# KiCad board SBC.kicad_pcb (continued)
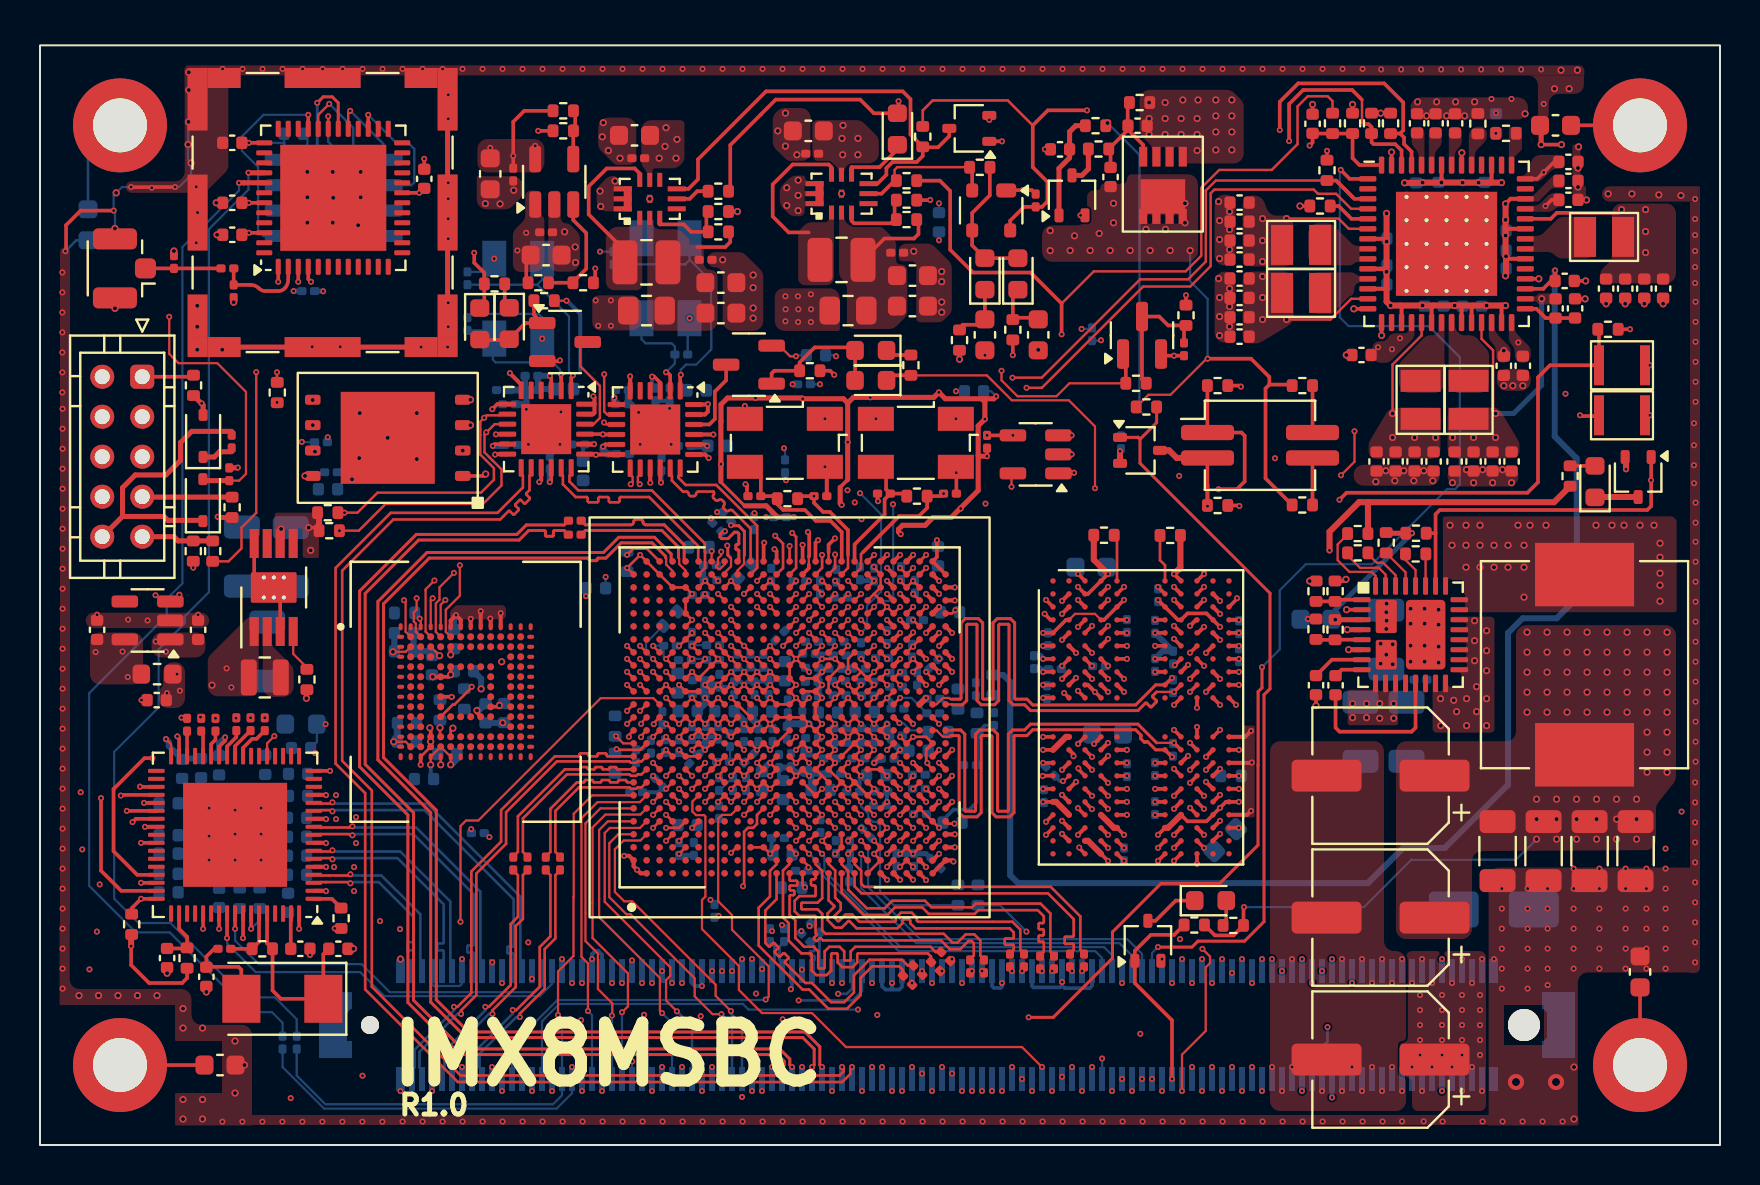
[diagram p0: board, top side]
## Routing (per net, layer and track width the routed paths; a pad name or vN(x,y) marks a point on that pad's centre or on a via; arc(x,y) is an arc through that point) (continued)
JTAG_TDI: length 64.2
  T w0.13: 41.38,16.19 v1(41.7,15.86)
  IN2 w0.11: J2.8 4.04,31.5 8.3,31.5 12.8,36 12.8,37.1 13.64,37.94 29.49,37.94 31.4,36.03 35.05,36.03 37.93,33.15 37.93,32.75 38.77,31.91 38.77,30.61 38.6,30.45 38.6,30.14 38.77,29.96 38.77,27.48 39.04,27.21 39.25,27.21 39.44,27.03 39.44,27.03 39.44,26.18 39.23,25.97 39.02,25.97 38.75,25.7 38.75,20.54 38.13,19.92 38.13,19.02 37.93,18.82 37.74,18.82 37.51,18.59 37.51,17.04 37.68,16.87 37.87,16.87 38.1,16.64 38.1,16.45 38.39,16.16 38.74,16.16 39.18,15.72 39.2,15.72 39.55,15.37 39.96,15.37 40.1,15.51 41.35,15.51 v1(41.7,15.86)
JTAG_TDO: length 62
  T w0.13: U9.U5 v1(40.4,15.86)
  IN2 w0.11: J2.6 4.02,33.52 8.74,33.52 13.37,38.15 29.57,38.15 31.21,36.51 36.19,36.51 39.4,33.3 39.4,27.5 39.69,27.21 39.95,27.21 40.06,27.1 40.06,20.44 40.05,20.43 40.05,20.29 39.82,20.06 39.63,20.06 39.46,19.89 39.46,19.7 39.23,19.47 39.04,19.47 38.81,19.24 38.81,19.01 38.56,18.76 38.33,18.76 38.15,18.58 38.15,16.97 38.25,16.87 38.52,16.87 38.75,16.63 38.75,16.45 39.63,15.57 39.88,15.57 40.17,15.86 v1(40.4,15.86)
JTAG_TMS: length 62.3
  T w0.13: U9.V5 v1(40.4,16.51)
  IN2 w0.11: v1(40.4,16.51) 40.11,16.81 39.55,16.81 39.4,16.96 39.4,18.1 40.06,18.76 41.12,18.76 41.41,19.05 41.41,19.25 41.63,19.47 41.83,19.47 42,19.64 42,25.75 41.7,26.05 41.7,26.49 42,26.79 42,27.1 41.55,27.55 41.55,27.88 41.4,28.04 41.4,33.23 35.44,39.19 33.53,39.19 33.18,39.54 13.42,39.54 11.39,37.51 4.03,37.51 J2.2
NAND_DATA0: length 23.2
  T w0.13: U9.G20 v1(33.25,26.26)
  IN2 w0.11: v1(33.25,26.26) 32.96,26.56 32.96,28.34 33.37,28.75 34.25,28.75 35.22,29.72 35.22,31.08 32.67,33.63 24.45,33.63 24.06,33.24 21.91,33.24 21.14,34.01 v2(21.14,34.74)
NAND_DATA1: length 24.9
  T w0.13: 34.88,25.94 v1(34.55,26.26)
  IN2 w0.11: v1(34.55,26.26) 34.26,26.56 34.26,27.04 34.45,27.23 34.45,27.4 35.65,28.59 36.15,28.59 37.15,29.59 37.15,31.64 33.42,35.37 28.99,35.37 28.52,35.84 27.35,35.84 27.19,36.01 v2(21.52,36.01)
NAND_DATA2: length 29.1
  T w0.13: U9.H22 v1(33.9,27.56)
  IN2 w0.11: v1(33.9,27.56) 34.34,27.56 35.56,28.79 35.57,28.79 35.9,29.12 35.9,31 32.72,34.18 22.65,34.18 21.61,35.22 19.24,35.22 18.71,34.69 13.76,34.69 v2(13.75,34.68)
NAND_DATA3: length 34.7
  T w0.13: 34.88,26.59 v1(34.55,26.91)
  IN2 w0.11: v2(13.63,37.26) 14.12,37.74 29.3,37.74 31.21,35.83 34.24,35.83 37.99,32.07 37.99,30.52 37.81,30.33 37.81,29.1 36.61,27.9 35.77,27.9 35.56,27.69 35.56,27.51 34.96,26.91 v1(34.55,26.91)
NVCC_DRAM_1V1: length 64.6
  T w0.12: U1.25 72.08,40.32 72.65,39.75 72.65,36.71 v2(72.78,36.59)
  T w0.13: v1(43.65,23.66) U9.AC17 v1(43.65,24.31) U9.AB17 ; U9.AC3 v1(43.65,14.56) U9.AB3 v1(43,14.56) ; U9.Y14 v1(42.35,22.36) U9.AA15 ; U9.AB8 v1(43.65,18.46) ; v1(44.95,15.86) U9.AD5 U9.AC6 v1(43.65,16.51) ; U9.AC8 v1(43.65,17.81) ; U9.AC20 v1(43.65,26.26) ; U9.AA10 v1(43,19.76) ; v1(43,28.21) U9.AB23 v1(43.65,28.21) U9.AC23 ; 44.63,24.62 44.89,24.36 44.9,24.36 44.93,24.33 v1(44.97,24.33) ; v1(42.35,20.41) U9.Y12 v1(42.35,21.06)
  T w0.18: U12.W1 v1(50.3,16.16) ; U12.R8 v1(55.76,19.11) ; U12.B8 v1(55.9,27.91) ; v1(50.23,26.57) 50.23,26.57 50.53,26.26 U12.D1 ; U12.U8 v1(55.76,17.81) ; U12.H12 v1(59.94,23.66) ; U12.AB9 v1(56.7,14.21) ; U12.K1 v1(50.16,22.36) ; U12.F8 v1(55.76,24.96) ; U12.K12 v1(59.8,22.01) ; U12.B5 v1(54.2,27.91) ; U12.H8 v1(55.76,23.66) ; v1(57.5,24.63) 57.51,24.63 U12.F10 ; U12.R1 v1(50.16,19.11) ; U12.U10 v1(58.2,17.46) ; U12.U3 v1(52.6,17.46) ; U12.B10 v1(58.2,27.91) ; v1(53.4,28.56) U12.A4 52.4,27.56 U12.B3 v1(51.9,27.91) ; U12.K10 v1(57.85,21.87) ; U12.D5 v1(54.34,26.26) ; U12.AA8 v1(55.9,14.86) ; U12.F5 v1(54.34,24.96) ; U12.F3 v1(52.6,24.61) ; U12.H5 v1(54.2,23.31) ; U12.AA5 v1(54.2,14.86) ; U12.K3 v1(51.9,22.71) ; U12.H1 v1(50.16,23.66) ; U12.N10 v1(57.85,20.91) ; U12.AB4 v1(53.4,14.21) ; U12.N1 v1(50.16,20.41) ; U12.N3 v1(51.9,20.06) ; U12.W5 v1(54.34,16.51) ; U12.U5 v1(54.34,17.81) ; U12.R5 v1(54.34,19.11) ; U12.W8 v1(55.76,16.51) ; U12.AA10 v1(58.2,14.86) ; U12.D8 v1(55.76,26.26)
  T w0.2: U12.R12 60.57,19.11 v1(60.59,19.13) ; v1(60.55,20.71) 60.25,20.41 U12.N12 ; U12.W12 60.35,16.51 v1(60.55,16.71) ; U12.A9 v1(56.7,28.56) ; v1(59.94,26.26) U12.D12
  T w0.25: U9.AD21 v1(44.95,26.91)
  T w0.3: R69.2 57.02,28.88 v1(56.7,28.56) ; v1(44.3,22.36) U9.AC14 ; R68.2 52.69,29.27 v1(53.4,28.56) ; U12.AA3 52.4,15.21 U12.AB4
  B w0.18: C209.2 46.82,17.12 46.48,16.78 45.68,16.78 45.1,16.21 ; C254.1 47.24,20.98 R70.2 46.85,19.03
  B w0.25: v2(72.78,36.59) 73.68,36.59 75.08,37.99 v2(75.08,42.32) ; C177.1 44.3,14.57 C200.2
  B w0.3: v1(43,14.56) v1(43.65,14.56) ; C253.1 49.99,23.83 v1(50.16,23.66) 50.29,23.8 R66.2 ; v1(42.35,22.36) 42.55,22.16 C240.1
  B w0.35: 43.47,19.72 43.05,19.72 v1(43,19.76) 42.51,20.26 42.51,20.42 ; 43.7,28.23 43.69,28.24 ; v1(42.35,20.41) v1(42.35,21.06)
  vias: v2(70.63,35.39) v2(71.68,35.39) v2(72.78,35.39)
NVCC_ENET_2V5: length 5.9
  T w0.11: U17.22 11.35,20.09 v1(11.72,20.45)
  T w0.13: U9.T18 v1(39.75,24.96)
  T w0.18: U17.44 v1(5.05,15.11) ; U17.58 v1(8.95,10.81) ; v1(5.2,17.11) U17.39 ; v1(9.26,20.39) 9.26,20.22 8.95,19.92 U17.28
  B w0.3: v1(9.26,20.39) 8.95,20.09 C327.1
  vias: v1(9.33,23.84) v1(9.57,22.89) v1(33.93,11.46) v2(8.6,23)
NVCC_SD1_1V8: length 0.9
  T w0.13: U9.L23 v1(36.5,28.21) U9.M23
NVCC_SD2: length 0.5
  T w0.13: U9.N23 v1(37.8,28.21)
NWDOG: length 70.9
  T w0.13: U9.R4 v1(38.45,15.21)
  IN2 w0.11: v1(47.25,39.5) 47.25,37.75 46.8,37.3 46.8,33.6 47.27,33.13 v1(47.27,32.08)
  IN4 w0.11: v1(38.45,15.21) 38.77,14.9 39.23,14.9 39.43,14.7 39.43,12.88 42.7,9.6 44.8,9.6 45.4,9 45.85,9 45.95,9.11 52.86,9.11 52.97,8.99 55.38,8.99 55.98,9.6 56.06,9.6 56.6,10.13 56.6,10.75 61.4,15.55 61.4,32.98 60.2,34.18 56.35,34.18 55.32,33.15 52.62,33.15 51.55,32.08 v1(47.27,32.08)
ONOFF: length 49.8
  T w0.13: 41.38,26.59 v1(41.7,26.91)
  T w0.18: 77.95,40.74 SW1.2 75.5,39 74.9,38.4 74.9,33.15 74.37,32.63 65.33,32.63 v1(64.97,32.28)
  IN2 w0.11: v1(64.97,32.28) 64.1,31.4 43.3,31.4 v1(42.65,32.05)
  B w0.11: v1(42.65,32.05) 42.66,32.04 42.66,27.44 42.43,27.21 42,27.21 v1(41.7,26.91)
PCIE1_NCLKREQ: length 1
  T w0.18: R83.1 42.55,39.52
PCIE1_nCLKREQ: length 70.3
  T w0.11: R83.2 47.34,38.5 48.59,37.25 51.44,37.25 52.75,35.94 v1(52.75,32.85)
  T w0.13: U9.T7 v1(39.1,17.16)
  T w0.18: R83.2 42.58,38.5
  IN4 w0.11: v1(39.1,17.16) 39.4,16.87 39.4,15.7 40.1,15 40.1,12.6 42.88,9.82 45.78,9.82 46.2,9.4 52.78,9.4 52.98,9.6 53.22,9.6 53.23,9.6 55.02,9.6 60.89,15.46 60.89,21.84 60.27,22.45 60.27,23.75 60.01,24.02 59.82,24.02 59.55,24.29 59.55,27.47 59.6,27.52 59.6,33.2 58.98,33.83 56.6,33.83 55.63,32.85 v1(52.75,32.85)
PCIE1_RXN: length 64.8
  T w0.11: 34.28,28.59 34.28,28.67 34.55,28.94 34.55,29.35 34.51,29.39
  T w0.15: 34.51,29.39 34.39,29.51 34.39,29.95 v1(34.36,29.98)
  IN2 w0.12: v1(45.6,3.58) 44.77,3.58 42.7,5.64 22.65,5.64 19.63,8.66 19.63,12.15 18.66,13.12 18.66,18.43 18.24,18.85 18.24,24.76 21.65,28.17 25.37,28.17 27.47,30.27 33.95,30.27 34.23,29.98 v1(34.36,29.98)
PCIE1_RXP: length 64.9
  T w0.11: v1(34.06,29.68) 34.06,29.5 33.9,29.34 33.9,29.06 33.81,28.97 33.81,28.92 33.93,28.81 33.99,28.81 34.23,29.04 U9.H25
  IN2 w0.12: v1(45.1,3.9) 45.02,3.83 44.87,3.83 42.81,5.89 22.76,5.89 19.88,8.76 19.88,12.25 18.91,13.22 18.91,18.53 18.49,18.95 18.49,24.66 21.75,27.92 25.47,27.92 27.57,30.02 30.8,30.02 30.84,29.97 30.84,29.75 30.89,29.71 31.26,29.71 31.3,29.75 31.3,29.97 31.35,30.02 31.72,30.02 31.76,29.97 31.76,29.75 31.81,29.71 32.18,29.71 32.22,29.75 32.22,29.97 32.27,30.02 32.64,30.02 32.68,29.97 32.68,29.75 32.73,29.71 33.1,29.71 33.14,29.75 33.14,29.97 33.19,30.02 33.85,30.02 34.06,29.81 v1(34.06,29.68)
PCIE1_TXN: length 66.9
  IN2 w0.12: v1(44.1,3.58) 43.28,3.58 41.96,4.89 21.78,4.89 18.85,7.82 18.85,11.25 17.6,12.5 17.6,18.22 16.7,19.12 16.7,27.95 19.74,30.99 30.06,30.99 30.89,31.82 33.52,31.82 33.69,31.65 v1(33.85,31.65)
PCIE1_TXP: length 66.9
  IN2 w0.12: v1(43.6,3.9) 43.52,3.83 43.38,3.83 42.07,5.14 21.88,5.14 19.1,7.92 19.1,11.35 17.85,12.6 17.85,18.33 16.95,19.23 16.95,27.84 19.85,30.74 30.17,30.74 30.97,31.54 31.77,31.54 31.81,31.5 31.81,31.13 31.85,31.09 32.19,31.09 32.23,31.13 32.23,31.5 32.27,31.54 32.61,31.54 32.65,31.5 32.65,31.13 32.69,31.09 33.03,31.09 33.07,31.13 33.07,31.5 33.11,31.54 33.36,31.54 v1(33.55,31.35)
PCIE2_NCLKREQ: length 1
  T w0.18: R90.1 23.24,42.1
PCIE2_nCLKREQ: length 91.5
  T w0.13: U9.T6 v1(39.75,16.51)
  T w0.18: 22.22,42.09 R90.2 22.22,43.62 21.71,44.13 v1(21.71,44.63)
  IN2 w0.11: v1(56.96,33.47) 51.65,38.78 48.95,38.78 47.34,40.39 34.86,40.39 32.64,42.61 23.73,42.61 v1(21.71,44.63)
  IN4 w0.11: v1(39.75,16.51) 40.11,16.16 40.54,16.16 40.76,15.94 40.76,12.33 43.02,10.08 45.81,10.08 46.28,9.6 52.7,9.6 52.89,9.8 53.14,9.8 53.14,9.8 54.78,9.8 60.24,15.26 60.24,22.09 59.32,23.01 59.32,32.93 58.78,33.47 v1(56.96,33.47)
PCIE2_RXN: length 59
  T w0.15: v1(38.6,3.9) 38.71,4.01 38.71,4.8 38.14,5.38 21.31,5.38 19.53,7.15 19.53,16.63 16.89,19.27 16.89,27.18 19.35,29.64 28.18,29.64 28.94,30.4 30.72,30.4 31.56,29.56 31.56,29.26 U9.D25
PCIE2_RXP: length 59
  T w0.11: U9.D24 31.63,28.71 31.31,29.03 31.31,29.34 31.28,29.37
  T w0.15: v1(39.1,3.9) 38.99,4.01 38.99,4.92 38.25,5.66 21.42,5.66 19.81,7.26 19.81,16.74 17.17,19.38 17.17,27.07 19.46,29.36 27.42,29.36 27.46,29.31 27.46,29.27 27.5,29.23 27.82,29.23 27.86,29.27 27.86,29.31 27.9,29.36 28.29,29.36 29.05,30.12 30.61,30.12 31.28,29.45 31.28,29.37
PCIE2_TXN: length 53.8
  T w0.15: C96.2 26.21,31.01 24.32,31.01 23.84,30.54 18.82,30.54 15.98,27.71 15.98,18.92 18.4,16.51 18.4,7.13 21,4.53 36.87,4.53 37.21,4.19 37.21,4.01 v1(37.1,3.9)
PCIE2_TXP: length 53.8
  T w0.15: v1(37.6,3.9) 37.49,4.01 37.49,4.3 36.99,4.81 21.11,4.81 18.68,7.24 18.68,16.62 16.26,19.04 16.26,27.59 18.93,30.26 23.96,30.26 24.43,30.73 25.23,30.73 25.27,30.69 25.27,30.49 25.32,30.45 25.63,30.45 25.67,30.49 25.67,30.69 25.72,30.73 26.21,30.73 C95.2
PG_VIN: length 76.5
  T w0.18: 27.76,43.13 27.76,43.84 v1(27.76,43.84) ; 69.78,30.6 69.78,31.55 69.99,31.76 80.36,31.76 80.56,31.96 Q5.1 ; 69.78,30.6 U2.26 ; 69.78,30.6 R9.2
  IN2 w0.11: v1(27.76,43.84) 28.64,42.96 33.1,42.96 35.23,40.83 49.73,40.83 50.71,39.85 52.25,39.85 54,38.1 56.9,38.1 57.85,37.15 78.73,37.15 79.38,36.5 79.38,34.43 80.52,33.28
  vias: v1(80.55,33.25)
PMIC_nINT: length 81.2
  T w0.13: U9.N6 v1(37.8,16.51)
  T w0.15: v1(61.1,23.9) 61.1,22.87 60.91,22.67 60.91,19 60.9,18.99 60.9,15 58.98,13.08 56.05,13.08 53.62,10.66 53.62,9.35 50.66,6.39 v1(49.43,6.39)
  T w0.18: v1(65.03,48.77) 65.48,48.32 U1.1
  IN4 w0.11: v1(49.43,6.39) 48.4,7.42 43.7,7.42 38.79,12.33 38.33,12.33 37.25,13.41 37.25,15.96 v1(37.8,16.51)
  B w0.11: v1(61.1,23.9) 61.99,24.79 61.99,27.75 63.29,29.05 66.6,29.05 70.35,32.8 70.75,32.8 70.99,33.04 70.99,39.4 69.43,40.96 65.43,40.96 64.99,41.4 64.99,48.73 v1(65.03,48.77)
PMIC_ON_REQ: length 58.6
  T w0.12: 51.08,42.09 52.69,43.7 57.28,43.7 58.06,44.48 58.06,47.87 58.96,48.77 61.58,48.77 62.88,50.06 62.88,51.94 63.39,52.46 64.38,52.46 64.63,52.21 R13.1
  T w0.13: U9.V20 v1(41.05,25.61)
  T w0.18: v1(51.08,40.55) 51.08,42.09 49.53,43.64 46.65,43.64 45.51,44.78 45.51,47.72 44.99,48.23 43.92,48.23
  IN4 w0.11: v1(41,32.6) 41,34.4 43.45,36.85 49.52,36.85 51.08,38.41 v1(51.08,40.55)
  B w0.11: v1(41.05,25.61) 41.35,25.91 41.35,26.98 42.05,27.68 42.05,31.55 v1(41,32.6)
PMIC_SCL: length 69.2
  T w0.12: 66.09,51.23 66.1,51.24 66.1,52.28 66.09,52.29
  T w0.13: U9.F8 v1(32.6,17.81)
  T w0.18: v1(62.45,50.21) 62.45,52.06 63.16,52.77 65.61,52.77 66.09,52.29 ; 66.09,51.23 66.26,51.06 66.43,51.06 66.58,50.91 R15.2 66.58,50.16 66.68,50.06 67.76,50.06 68.08,49.74 U1.54
  IN4 w0.11: v1(62.45,50.21) 61.95,49.71 61.95,40.4 54.96,33.41 54.59,33.41 54.59,33.41 52.58,33.41 51.55,32.38 46.13,32.38 45.57,31.82 43.83,31.82 42,29.99 42,28.75 42.19,28.56 43.12,28.56 43.31,28.36 43.31,22.06 42.84,21.59 42.37,21.59 42.35,21.56 41.13,21.56 40.7,21.13 40.7,20.29 39.82,19.41 38.91,19.41 38.8,19.3 38.8,19.04 38.52,18.76 37.6,18.76 37.01,18.17 33.73,18.17 33.55,18.35 33.55,18.59 33.34,18.8 32.52,18.8 32.3,18.58 32.3,18.12 v1(32.6,17.81)
PMIC_SDA: length 67.7
  T w0.13: U9.F9 v1(33.25,19.11)
  T w0.18: R14.2 68.01,50.59 ; 68.01,50.59 68.16,50.74 68.16,52.15 67.21,53.1 62.91,53.1 61.99,52.18 v1(61.99,50.76) ; 68.01,50.59 68.2,50.39 68.2,50.06 68.58,49.69 U1.53
  IN4 w0.11: v1(61.99,50.76) 60.5,49.28 60.5,39.6 54.51,33.61 52.24,33.61 51.25,32.63 46.01,32.63 45.41,32.02 43.75,32.02 41.38,29.65 41.38,28.82 41.57,28.62 41.72,28.62 42,28.34 42,28.08 42.17,27.91 42.44,27.91 42.66,27.69 42.66,22.16 42.26,21.76 40.04,21.76 39.46,21.19 39.46,20.35 39.23,20.12 37.74,20.12 37.1,19.48 37.1,19.1 36.82,18.82 33.78,18.82 33.49,19.11 v1(33.25,19.11)
PMIC_STBY_REQ: length 56.3
  T w0.12: U1.4 65.56,46.82 64.8,47.58 63.9,47.58 63.69,47.79 58.72,47.79 58.53,47.6 58.53,43.96 57.51,42.94 55.16,42.94 50.09,37.88 v1(49.33,37.88) ; U9.V21 v1(41.05,26.91)
  T w0.18: 47.47,50.2 v1(48.1,50.2)
  IN2 w0.11: v1(41.05,26.91) 41.05,27.15 40.7,27.5 40.7,28.34 40.43,28.6 40.43,32.69 v1(40.38,32.75)
  IN4 w0.11: v1(40.38,32.75) 40.38,34.43 43.3,37.35 46.6,37.35 47.13,37.88 v1(49.33,37.88) 49.33,39.67 47.5,41.5 47.5,49.6 v1(48.1,50.2)
POR_B: length 187.1
  T w0.11: v1(65.05,33.5) 65.72,34.18 v1(65.72,35.7) ; C173.1 9.96,33.23 10.3,33.57 10.3,37.67 8.86,39.11 6.92,39.11 6.46,39.57 v1(6.46,41.43)
  T w0.12: v1(48.63,38.38) 50.09,38.38 55,43.3 57.4,43.3 58.29,44.19 58.29,47.74 58.79,48.24 R58.2
  T w0.13: 41.38,25.94 v1(41.05,26.26)
  T w0.18: R58.2 64.81,48.24 65.62,47.42 ; 65.62,47.42 64.91,48.14 ; 65.62,47.42 65.72,47.32 U1.3
  T w0.25: C173.1 8.22,33.23
  IN2 w0.11: v1(65.05,33.5) 64.72,33.17 56.3,33.17 51.1,38.38 v1(48.63,38.38) 48.63,38.63 47.2,40.05 34.75,40.05 33.16,41.64 6.68,41.64 v1(6.46,41.43) ; v1(41.07,31.3) 41.1,31.28 41.1,29.22 41.2,29.12 41.2,27.84 41.35,27.69 41.35,26.79 41.05,26.5 v1(41.05,26.26)
  IN2 w0.13: v1(64.6,2.38) 62.99,2.38 62.77,2.59 62.77,3.58 66.29,7.09 66.29,8.75 66.42,8.88 66.42,14.79 62.7,18.51 62.7,28.54 66.87,32.71 74.78,32.71 77.31,35.23 77.31,36.63 77.13,36.81 75.18,36.81 73.35,34.98 66.45,34.98 v1(65.72,35.7)
  IN4 w0.11: v1(41.07,31.3) 40.38,31.3 39.73,31.95 39.73,32.45 39.93,32.65 39.93,35.26 43.05,38.38 v1(48.63,38.38)
  B w0.25: J1.B94 v1(64.6,2.38)
QSPIA_nSS0 : length 22.8
  T w0.13: U9.H19 v1(33.9,25.61)
  T w0.18: v2(22.28,33.56) 22.19,33.47 U14.1
  IN2 w0.11: v2(22.28,33.56) 22.62,33.9 32.72,33.9 35.5,31.12 35.5,29.4 34.61,28.51 34.43,28.51 34.26,28.34 34.26,28.1 34.08,27.92 33.78,27.92 33.61,27.75 33.61,25.91 v1(33.9,25.61)
QSPIA_SCLK: length 34
  T w0.13: U9.G19 v1(33.25,25.61)
  IN2 w0.11: v1(33.25,25.61) 32.9,25.97 32.48,25.97 32.31,26.14 32.31,28.15 33.4,29.24 34.24,29.24 34.95,29.95 34.95,31.05 33.75,32.25 32.76,32.25 31.58,33.43 28.52,33.43 27.42,32.33 14.85,32.33 13.42,33.75 13.42,35.84 13.6,36.01 v2(13.64,36.01)
SD1_CLK: length 28.8
  T w0.13: v2(20.65,20.85) 20.6,20.85 20.53,20.78 U13.M6
  T w0.18: U9.L25 36.18,30.09 v1(36.21,30.13)
  IN4 w0.12: v1(36.21,30.13) 35.25,29.17 30.13,29.17 29.08,28.11 27.58,28.11 arc(27.48,28.15) 27.44,28.25 arc(27.4,28.35) 27.3,28.39 26.98,28.39 arc(26.88,28.35) 26.84,28.25 arc(26.8,28.15) 26.7,28.11 25.52,28.11 arc(25.4,28.06) 25.29,28.11 arc(25.17,28.16) 25.05,28.11 24.86,27.92 arc(24.81,27.8) 24.86,27.68 arc(24.91,27.57) 24.86,27.45 24.67,27.26 arc(24.46,27.17) 24.25,27.26 23.97,27.53 arc(23.76,27.62) 23.55,27.53 arc(23.46,27.32) 23.55,27.11 23.82,26.84 arc(23.91,26.62) 23.82,26.41 arc(23.71,26.36) 23.59,26.41 arc(23.47,26.46) 23.36,26.41 23.16,26.22 arc(23.12,26.1) 23.16,25.99 arc(23.21,25.87) 23.16,25.75 22.97,25.56 arc(22.76,25.48) 22.55,25.56 22.27,25.84 arc(22.06,25.93) 21.85,25.84 arc(21.76,25.63) 21.85,25.41 22.12,25.14 arc(22.21,24.93) 22.12,24.71 20.95,23.54 20.95,23.43 19.1,21.58 19.1,20.7 19.27,20.53 20.32,20.53 v2(20.65,20.85)
SD1_CMD: length 28.8
  T w0.13: U9.L24 v1(35.85,28.21) ; v2(20,20.87) 20,20.45
  IN4 w0.12: v1(35.85,28.21) 35.01,28.21 34.71,27.91 30.74,27.91 29.67,26.84 27.52,26.84 27.42,26.74 27.42,26.68 27.55,26.55 27.55,26.5 27.34,26.29 27.29,26.29 26.97,26.61 26.91,26.61 26.71,26.4 26.71,26.35 27.03,26.03 27.03,25.97 26.82,25.76 26.77,25.76 26.44,26.09 26.39,26.09 26.18,25.88 26.18,25.83 26.51,25.5 26.51,25.45 26.3,25.24 26.24,25.24 25.92,25.56 25.87,25.56 25.66,25.35 25.66,25.3 25.98,24.98 25.98,24.93 25.77,24.72 25.72,24.72 25.4,25.04 25.34,25.04 25.14,24.83 25.14,24.78 25.46,24.46 25.46,24.4 25.25,24.19 25.2,24.19 24.87,24.52 24.82,24.52 24.61,24.31 24.61,24.26 24.94,23.93 24.94,23.88 24.73,23.67 24.67,23.67 24.35,23.99 24.3,23.99 24.09,23.79 24.09,23.73 24.41,23.41 24.41,23.36 24.2,23.15 24.15,23.15 23.83,23.47 23.78,23.47 23.57,23.26 23.57,23.21 23.89,22.89 23.89,22.83 23.68,22.62 23.63,22.62 23.49,22.76 23.44,22.76 23,22.32 22.84,22.32 22.66,22.14 22.44,22.14 22.29,21.99 22.29,21.28 22.01,21 21.19,21 20.99,21.2 20.99,21.61 20.76,21.84 20.33,21.84 20,21.51 v2(20,20.87)
SD1_D0: length 28.8
  T w0.11: v1(18.98,26.33) 18.98,26.31 19.03,26.26 U13.A3
  T w0.18: v1(36.73,29.8) 36.83,29.7 U9.M25
  IN4 w0.11: v1(36.73,29.8) 36.73,30.09 36.39,30.42 35.65,30.42 34.6,29.37 33.13,29.37 32.95,29.55 30.51,29.55 30.25,29.81 29.15,29.81 28.62,29.28 28.28,29.28 28.24,29.24 28.24,28.79 28.2,28.76 27.92,28.76 27.88,28.79 27.88,29.24 27.84,29.28 27.56,29.28 27.52,29.24 27.52,28.69 27.48,28.66 27.2,28.66 27.16,28.69 27.16,29.24 27.12,29.28 26.84,29.28 26.8,29.24 26.8,28.64 26.76,28.61 26.48,28.61 26.44,28.64 26.44,29.24 26.4,29.28 26.12,29.28 26.08,29.24 26.08,28.64 26.04,28.61 25.76,28.61 25.72,28.64 25.72,29.24 25.68,29.28 24.95,29.28 24.66,28.99 24.66,28.94 25.05,28.55 25.05,28.5 24.85,28.3 24.8,28.3 24.41,28.68 24.36,28.68 24.15,28.48 24.15,28.43 24.58,28.01 24.58,27.95 24.37,27.75 24.32,27.75 23.9,28.17 23.85,28.17 22.52,26.84 22.52,26.77 22.16,26.4 21.91,26.4 21.7,26.62 21.35,26.62 20.79,26.06 19.25,26.06 v1(18.98,26.33)
SD1_D1: length 28.8
  T w0.11: v1(19.63,27.35) 19.53,27.25 U13.A4
  T w0.13: v1(36.76,30.47) 37.15,30.08 37.15,28.86 U9.M24
  IN4 w0.11: v1(36.76,30.47) 36.61,30.62 35.27,30.62 34.95,30.3 33.19,30.3 32.93,30.04 28.76,30.04 28.73,30.01 28.73,29.76 28.7,29.73 28.45,29.73 28.42,29.76 28.42,30.01 28.39,30.04 28.14,30.04 28.11,30.01 28.11,29.76 28.08,29.73 27.83,29.73 27.8,29.76 27.8,30.01 27.77,30.04 27.52,30.04 27.49,30.01 27.49,29.76 27.46,29.73 27.21,29.73 27.18,29.76 27.18,30.01 27.15,30.04 26.9,30.04 26.87,30.01 26.87,29.76 26.84,29.73 26.59,29.73 26.56,29.76 26.56,30.01 26.53,30.04 26.28,30.04 26.25,30.01 26.25,29.76 26.22,29.73 25.97,29.73 25.94,29.76 25.94,30.01 25.91,30.04 25.66,30.04 25.63,30.01 25.63,29.76 25.6,29.73 25.35,29.73 25.32,29.76 25.32,30.01 25.29,30.04 24.95,30.04 24.7,29.78 24.7,29.74 24.87,29.56 24.87,29.52 24.7,29.35 24.65,29.35 24.48,29.52 24.43,29.52 24.26,29.35 24.26,29.3 24.43,29.13 24.43,29.08 24.26,28.91 24.22,28.91 24.04,29.08 24,29.08 23.82,28.91 23.82,28.86 24,28.69 24,28.64 23.82,28.47 23.78,28.47 23.6,28.64 23.56,28.64 23.38,28.47 23.38,28.42 23.56,28.25 23.56,28.2 23.38,28.03 23.34,28.03 23.16,28.2 23.12,28.2 22.95,28.03 22.95,27.99 23.12,27.81 23.12,27.77 22.95,27.59 22.9,27.59 22.73,27.77 22.68,27.77 21.83,26.91 19.77,26.91 19.63,27.05 v1(19.63,27.35)
SD1_D2: length 28.8
  T w0.11: U13.A5 20.03,27.02 v1(20.27,27.26)
  T w0.13: U9.N25 v1(37.48,29.96)
  IN4 w0.11: v1(37.48,29.96) 37.15,30.29 37.15,30.68 36.93,30.91 35.4,30.91 34.95,31.35 34.43,31.35 33.78,30.7 32.89,30.7 32.76,30.57 31.76,30.57 arc(31.7,30.55) 31.68,30.49 arc(31.65,30.43) 31.6,30.41 31.42,30.41 arc(31.36,30.43) 31.34,30.49 31.34,30.66 arc(31.31,30.71) 31.25,30.74 31.08,30.74 arc(31.02,30.71) 30.99,30.66 30.99,30.49 arc(30.97,30.43) 30.91,30.41 30.74,30.41 arc(30.68,30.43) 30.66,30.49 30.66,30.66 arc(30.63,30.71) 30.57,30.74 30.4,30.74 arc(30.34,30.71) 30.32,30.66 30.32,30.49 arc(30.29,30.43) 30.23,30.41 30.06,30.41 arc(30,30.43) 29.98,30.49 29.98,30.66 arc(29.95,30.71) 29.89,30.74 29.72,30.74 arc(29.66,30.71) 29.63,30.66 29.63,30.49 arc(29.61,30.43) 29.55,30.41 29.38,30.41 arc(29.32,30.43) 29.29,30.49 29.29,30.66 arc(29.27,30.71) 29.21,30.74 29.04,30.74 arc(28.98,30.71) 28.96,30.66 28.96,30.49 arc(28.93,30.43) 28.87,30.41 28.7,30.41 arc(28.64,30.43) 28.62,30.49 28.62,30.66 arc(28.59,30.71) 28.53,30.74 28.36,30.74 arc(28.3,30.71) 28.27,30.66 28.27,30.49 arc(28.25,30.43) 28.19,30.41 28.02,30.41 arc(27.96,30.43) 27.93,30.49 27.93,30.66 arc(27.91,30.71) 27.85,30.74 27.68,30.74 arc(27.62,30.71) 27.6,30.66 27.6,30.49 arc(27.57,30.43) 27.51,30.41 27.34,30.41 arc(27.28,30.43) 27.26,30.49 27.26,30.66 arc(27.23,30.71) 27.17,30.74 27,30.74 arc(26.94,30.71) 26.91,30.66 26.91,30.49 arc(26.89,30.43) 26.83,30.41 26.66,30.41 arc(26.6,30.43) 26.57,30.49 26.57,30.66 arc(26.55,30.71) 26.49,30.74 26.32,30.74 arc(26.26,30.71) 26.24,30.66 26.24,30.49 arc(26.21,30.43) 26.15,30.41 25.98,30.41 arc(25.92,30.43) 25.9,30.49 25.9,30.66 arc(25.87,30.71) 25.81,30.74 25.64,30.74 arc(25.58,30.71) 25.55,30.66 25.55,30.49 arc(25.53,30.43) 25.47,30.41 25.3,30.41 arc(25.24,30.43) 25.21,30.49 arc(25.19,30.55) 25.13,30.57 24.78,30.57 24.51,30.3 arc(24.48,30.24) 24.51,30.18 arc(24.53,30.12) 24.51,30.06 24.38,29.94 arc(24.32,29.91) 24.26,29.94 24.15,30.05 arc(24.09,30.08) 24.03,30.05 23.91,29.93 arc(23.88,29.87) 23.91,29.81 24.02,29.7 arc(24.05,29.64) 24.02,29.58 23.9,29.46 arc(23.84,29.43) 23.78,29.46 23.67,29.57 arc(23.61,29.6) 23.55,29.57 23.43,29.45 arc(23.4,29.39) 23.43,29.33 23.54,29.22 arc(23.57,29.16) 23.54,29.1 23.42,28.98 arc(23.36,28.95) 23.3,28.98 23.19,29.09 arc(23.13,29.12) 23.07,29.09 22.95,28.97 arc(22.92,28.91) 22.95,28.85 23.06,28.74 arc(23.09,28.68) 23.06,28.62 22.94,28.5 arc(22.88,28.47) 22.82,28.5 22.71,28.61 arc(22.65,28.64) 22.59,28.61 22.47,28.49 arc(22.44,28.43) 22.47,28.37 arc(22.49,28.31) 22.47,28.26 21.47,27.26 v1(20.27,27.26)
SD1_D3: length 28.8
  T w0.11: v1(18.2,27.25) 18.28,27.17 18.28,25.68 U13.B2
  T w0.18: U9.P25 v1(38.13,30.02)
  IN4 w0.11: v1(18.2,27.25) 18.89,27.94 21.18,27.94 24.94,31.7 29.35,31.7 29.39,31.66 29.39,31.37 29.43,31.33 29.73,31.33 29.77,31.37 29.77,31.93 29.81,31.96 30.11,31.96 30.15,31.93 30.15,31.37 30.19,31.33 30.49,31.33 30.53,31.37 30.53,31.93 30.57,31.96 30.87,31.96 30.91,31.93 30.91,31.37 30.95,31.33 31.25,31.33 31.29,31.37 31.29,31.66 31.33,31.7 33.38,31.7 33.65,31.97 36.68,31.97 38.1,30.55 38.1,30.05 v1(38.13,30.02)
SD1_D4: length 28.8
  T w0.11: U13.B3 18.79,25.67 18.79,26.09 18.69,26.19 18.69,26.64 18.83,26.78 v1(18.83,27.35)
  T w0.13: v1(37.61,30.61) 37.8,30.42 37.8,28.86 U9.N24
  IN4 w0.11: v1(18.83,27.35) 19.14,27.65 21.3,27.65 24.7,31.06 25.28,31.06 25.32,31.09 25.32,31.37 25.35,31.4 25.63,31.4 25.66,31.37 25.66,31.09 25.7,31.06 25.98,31.06 26.02,31.09 26.02,31.37 26.05,31.4 26.33,31.4 26.37,31.37 26.37,31.09 26.4,31.06 26.68,31.06 26.71,31.09 26.71,31.37 26.75,31.4 27.03,31.4 27.07,31.37 27.07,31.09 27.1,31.06 27.38,31.06 27.41,31.09 27.41,31.37 27.45,31.4 27.73,31.4 27.77,31.37 27.77,31.09 27.8,31.06 28.08,31.06 28.12,31.09 28.12,31.37 28.15,31.4 28.43,31.4 28.46,31.37 28.46,31.09 28.5,31.06 31.46,31.06 31.73,31.33 33.09,31.33 33.41,31.01 33.64,31.01 34.23,31.6 35.26,31.6 35.76,31.11 36.42,31.11 36.52,31.2 37.02,31.2 v1(37.61,30.61)
SD1_D5: length 28.8
  T w0.11: 38.44,29.03 38.44,29.43 ; U13.B4 19.28,25.68 19.28,27.79 v1(19.72,28.24)
  T w0.18: v1(38.39,30.66) 38.46,30.59 38.46,29.45 38.44,29.43 ; 38.44,29.03 38.44,28.85 U9.P24
  IN4 w0.11: v1(38.39,30.66) 38.39,31.15 37.35,32.2 28.42,32.2 28.38,32.16 28.38,31.99 28.34,31.94 27.98,31.94 27.94,31.99 27.94,32.16 27.9,32.2 27.54,32.2 27.5,32.16 27.5,31.99 27.46,31.94 27.1,31.94 27.06,31.99 27.06,32.16 27.02,32.2 26.66,32.2 26.62,32.16 26.62,31.99 26.58,31.94 26.22,31.94 26.18,31.99 26.18,32.16 26.14,32.2 25.78,32.2 25.74,32.16 25.74,31.99 25.7,31.94 25.34,31.94 25.3,31.99 25.3,32.16 25.26,32.2 25.06,32.2 21.09,28.24 20.61,28.24 20.15,28.69 19.95,28.69 19.72,28.46 v1(19.72,28.24)
SD1_D6: length 28.8
  T w0.11: v1(20.7,28.62) 19.97,27.9 19.97,27.27 19.79,27.09 19.79,25.67 U13.B5
  T w0.18: v1(38.9,30.25) 38.77,30.12 38.77,29.2
  IN4 w0.11: v1(38.9,30.25) 38.9,30.26 38.9,31.26 37.68,32.48 24.89,32.48 24.69,32.28 24.6,32.28 24.4,32.48 24.32,32.48 23.98,32.14 23.98,32.06 24.18,31.85 24.18,31.77 23.84,31.43 23.76,31.43 23.55,31.63 23.47,31.63 23.13,31.29 23.13,31.21 23.33,31.01 23.33,30.92 22.99,30.58 22.91,30.58 22.71,30.78 22.62,30.78 22.28,30.44 22.28,30.36 22.48,30.16 22.48,30.07 22.14,29.73 22.06,29.73 21.86,29.93 21.77,29.93 21.43,29.6 21.43,29.51 21.63,29.31 21.63,29.22 21.03,28.62 v1(20.7,28.62)
SD1_D7: length 28.8
  T w0.11: U13.B6 20.29,25.67 20.29,26.77 20.99,27.47 v1(20.99,29)
  T w0.13: U9.T25 39.43,29.64
  T w0.18: 39.43,29.64 39.43,30.02 v1(39.75,30.34)
  IN4 w0.11: v1(20.99,29) 20.99,29.69 22.81,31.51 arc(22.9,31.73) 22.81,31.94 22.51,32.25 arc(22.42,32.46) 22.51,32.67 arc(22.72,32.76) 22.93,32.67 23.24,32.36 arc(23.45,32.27) 23.66,32.36 24.06,32.76 37.76,32.76 39.75,30.77 v1(39.75,30.34)
SD1_nRST: length 28.8
  T w0.13: v1(21.59,22.92) 21.59,22.89 20.73,22.03 20.64,22.03 U13.K5 ; U9.R24 39.1,28.86 v1(39.1,29.51)